# Altium PCB RcMPPT-SCC.PcbDoc (part 1 of 2) (continued)
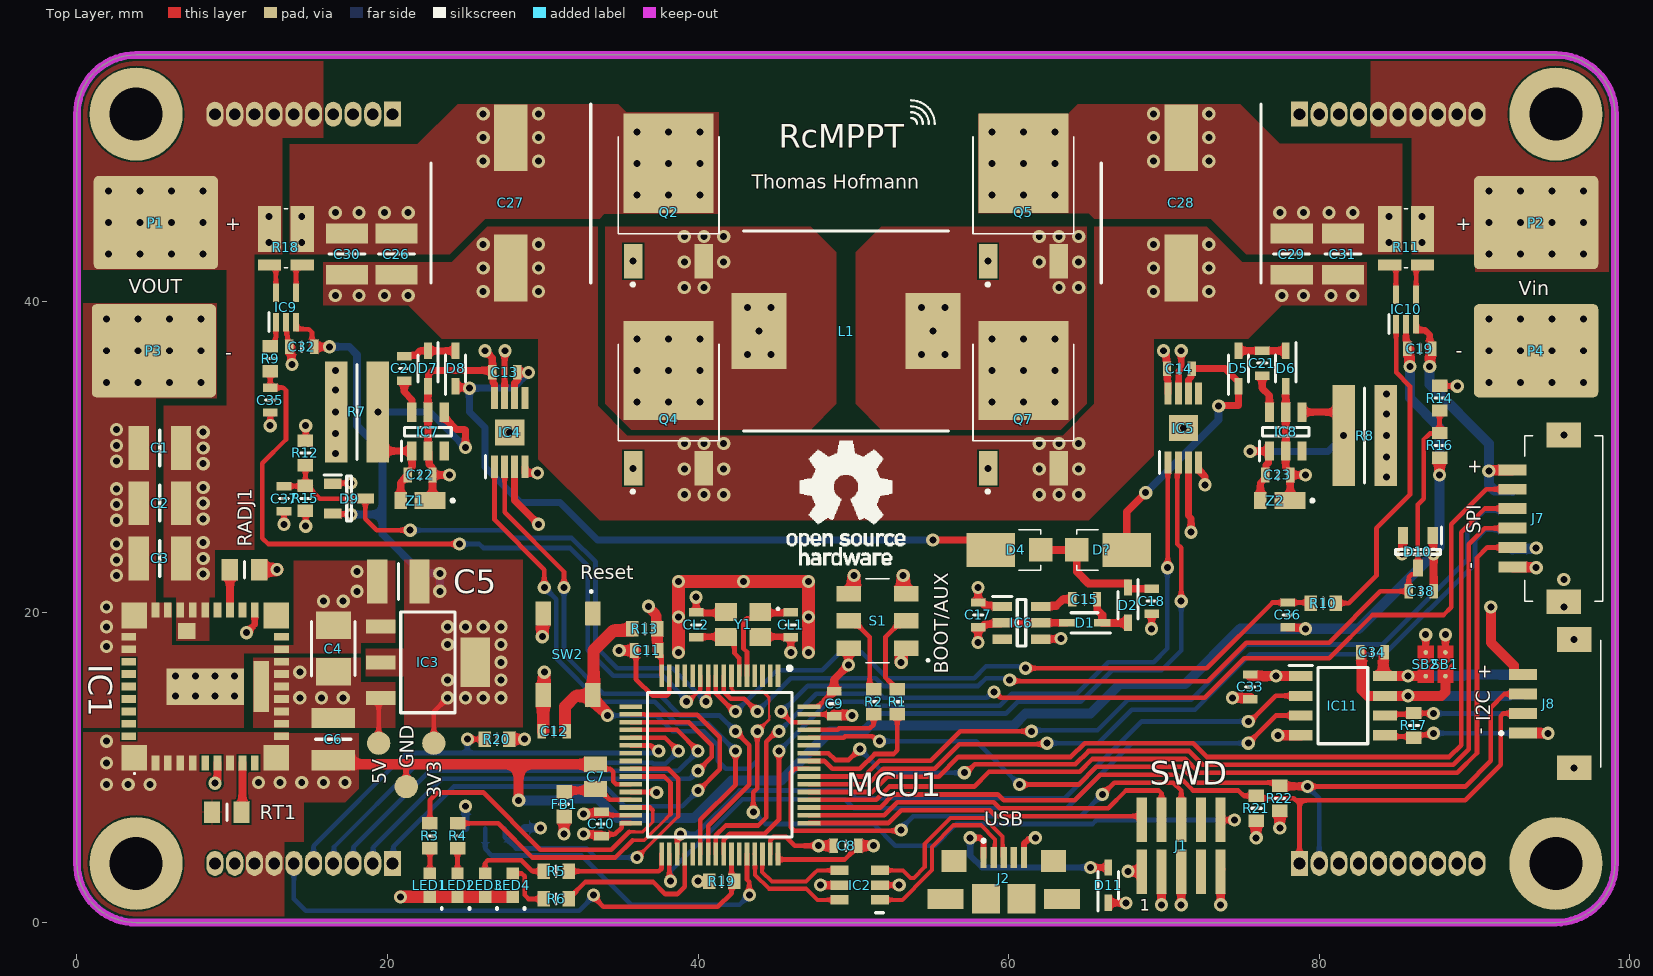
[diagram p0: Top Layer view]
## Components (designator, comment, footprint, x,y, rotation, side; value= is the part's Value field where it differs from the comment) (continued)
IC11 "ISO1044BDR" SOIC127P600X175-8N 81.534,13.97 r0 top
J1 "SWD" HUSSP10W40P127_2X5_635X340X420P 71.12,4.953 r0 top locked
J2 "Micro-USB" 19815841 59.69,1.524 r0 top locked
J3 "M52-040023V1045" HDRV10W60P0X127_1X10_1270X250X250P 78.74,52.07 r0 bottom locked
J4 "M52-040023V1045" HDRV10W60P0X127_1X10_1270X250X250P 20.32,3.81 r180 bottom locked
J5 "M52-040023V1045" HDRV10W60P0X127_1X10_1270X250X250P 78.74,3.81 r0 bottom locked
J6 "M52-040023V1045" HDRV10W60P0X127_1X10_1270X250X250P 20.32,52.07 r180 bottom locked
J7 "DF13A-6P-1.25H_21_" DF13A6P125H21 95.758,26.035 r270 top
J8 "DF13A-4P-1.25H_21_" DF13A4P125H21 95.631,14.097 r270 top locked
J9 "DF13A-4P-1.25H_21_" DF13A4P125H21 95.631,14.097 r90 bottom
J10 "DF13A-4P-1.25H_21_" DF13A4P125H21 94.95,25.918 r90 bottom
J12 "DF13A-4P-1.25H_21_" DF13A4P125H21 26.924,3.556 r0 bottom
L1 "IHLP5050FDER2R2M01" INDPM132129X650N 49.53,38.1 r0 top locked
LED1 "Green" LGQ396PS35 22.733,2.413 r90 top
LED2 "Green" LGQ396PS35 24.511,2.413 r90 top
LED3 "Green" LGQ396PS35 26.289,2.413 r90 top
LED4 "Green" LGQ396PS35 28.067,2.413 r90 top
MCU1 "STM32G474RBT6" QFP50P1200X1200X160-64N 41.402,10.16 r270 top locked
P1 "PowerPad" POWER_PAD 5.08,45.085 r0 top locked
P2 "PowerPad" POWER_PAD 93.98,45.085 r0 top locked
P3 "PowerPad" POWER_PAD 4.953,36.83 r0 top locked
P4 "PowerPad" POWER_PAD 93.98,36.83 r0 top locked
Q2 "IPD90N10S4L06ATMA1" IPD90N10S4L06ATMA1 38.1,52.095 r0 top locked
Q4 "IPD90N10S4L06ATMA1" IPD90N10S4L06ATMA1 38.1,38.76 r0 top locked
Q5 "IPD90N10S4L06ATMA1" IPD90N10S4L06ATMA1 60.96,52.095 r0 top locked
Q7 "IPD90N10S4L06ATMA1" IPD90N10S4L06ATMA1 60.96,38.76 r0 top locked
R1 "10k" RESC1608X55N 52.832,14.224 r270 top
R2 "10k" RESC1608X55N 51.308,14.224 r270 top
R3 "1k" RESC1608X55N 22.733,5.588 r270 top
R4 "1k" RESC1608X55N 24.511,5.588 r270 top
R5 "1k" RESC1608X55N 30.861,3.302 r180 top
R6 "1k" RESC1608X55N 30.861,1.524 r180 top
R7 "4k7 2W" RESC3263X80N 18.034,32.893 r0 top
R8 "4k7 2W" RESC3263X80N 82.931,31.369 r180 top
R9 "100R" RESC1608X55N 12.446,36.322 r90 top
R10 "100R" RESC1608X55N 80.264,20.574 r0 top
R11 "WSK1216L5000FEA" WSK12161L000FEA 85.598,44.069 r270 top
R12 "100k" RESC1608X55N 14.716,30.245 r90 top
R13 "10k" RESC1608X55N 36.576,18.923 r180 top
R14 "100k" RESC1608X55N 87.757,33.782 r90 top
R15 "3k3" RESC1608X55N 14.716,27.324 r90 top
R16 "3k3" RESC1608X55N 87.757,30.734 r90 top
R17 "120R" RESC1608X55N 86.106,12.7 r90 top
R18 "WSK1216L5000FEA" WSK12161L000FEA 13.462,44.069 r270 top
R19 "10k" RESC1608X55N 41.529,2.667 r0 top
R20 "10k" RESC1608X55N 27.051,11.811 r180 top
R21 "10k" RESC1608X55N 75.946,7.366 r90 top
R22 "10k" RESC1608X55N 77.47,8.001 r90 top
RADJ1 "5.05k" R0805 10.795,22.733 r0 top
RT1 "49.9k" R0805 9.652,7.112 r180 top
S1 "CAS-D20A1" CASD20A1 51.562,19.431 r90 top
SB1 "Solder Bridge" SOLDER-BRIDGE_R0603-0R 88.138,16.637 r270 top
SB2 "Solder Bridge" SOLDER-BRIDGE_R0603-0R 86.868,16.637 r270 top
SW2 "RST" PTS647SK38SMTR2LFS 31.623,17.272 r270 top
Y1 "ABM8W-16.0000MHZ-8-B1U-T3" ABM8W160000MHZ8B1UT3 42.901,19.202 r180 top
Z1 "YFZVFHTR10B" TDZVTR51 22.098,27.178 r90 top
Z2 "YFZVFHTR10B" TDZVTR51 77.47,27.178 r90 top

## Footprints (in the part's own frame and the unit in brackets; to place one, negate y for a bottom-side part, rotate by r counter-clockwise, add the part's x,y. Pads: shape width x height; smd on the part's side, far side on the other; paste and mask are expansions set on the pad)
19815841 [mm]
  rect 0.4x1.35 smd: 1(-1.3,2.675) 2(-0.65,2.675) 3(0,2.675) 4(0.65,2.675) 5(1.3,2.675)
  rect 1.6x1.4 smd: 6(-3.2,2.45) 7(3.2,2.45)
  rect 2.3x1.3 smd: 8(-3.75,0) 9(3.75,0)
  rect 1.8x1.9 smd: 10(-1.15,0) 11(1.15,0)
  silkscreen extent -1.4,3.65 -1.2,3.85, body extent -4.4,-2.93 4.4,2.68, height 2.8
ABM8W160000MHZ8B1UT3 [mm]
  rect 1.4x1.15 smd: 1(-1.1,-0.8) 2(1.1,-0.8) 3(1.1,0.8) 4(-1.1,0.8)
  silkscreen extent -2.3,-1.05 -2.2,-0.95, body extent -1.69,-1.26 1.69,1.26, height 0.85
BEADC1608X75N [mm]
  rect 0.9x1 smd: 1(-0.8,0) 2(0.8,0)
  silkscreen extent 0,-0.3 0,0.3, body extent -0.8,-0.4 0.8,0.4, height 0.75
CAPAE1030X1050N [mm]
  rect 4.3x2.15 smd: 1(-4.2,0) 2(4.2,0)
  silkscreen extent -6.35,-5.15 5.15,5.15, body extent -5.65,-5.25 5.65,5.25, height 10.5
CAPC1608X90N [mm]
  rect 0.54x0.94 smd: 1(-0.8,0) 2(0.8,0)
  silkscreen extent 0,-0.3 0,0.3, body extent -0.8,-0.4 0.8,0.4, height 0.9
CAPC1608X97N [mm]
  rect 0.54x0.94 smd: 1(-0.8,0) 2(0.8,0)
  silkscreen extent 0,-0.3 0,0.3, body extent -0.8,-0.4 0.8,0.4, height 0.9
CAPC2012X88N [mm]
  rect 1.02x1.47 smd: 1(-0.8,0) 2(0.8,0)
  body extent -1,-0.63 1,0.63, height 0.88
CAPC3225X270N [mm]
  rect 1.26x2.72 smd: 1(-1.33,0) 2(1.33,0)
  silkscreen extent 0,-1.15 0,1.15, body extent -1.6,-1.25 1.6,1.25, height 2.7
CAPC3225X280N [mm]
  rect 1.3x2.82 smd: 1(-1.36,0) 2(1.36,0)
  silkscreen extent 0,-1.15 0,1.15, body extent -1.6,-1.25 1.6,1.25, height 2.8
CAPPM3528X200N [mm]
  rect 1.75x2.25 smd: 1(-1.5,0) 2(1.5,0)
  silkscreen extent -1.78,-1.4 1.75,1.4, body extent -1.75,-1.4 1.75,1.4, height 2
CASD20A1 [mm]
  rect 1x1.6 smd: 1(-1.75,-1.85) 2(0,-1.85) 3(1.75,-1.85) 4(-1.75,1.85) 5(0,1.85) 6(1.75,1.85)
  silkscreen extent -2.7,-3.3 2.7,0.75, body extent -2.7,-2.55 2.7,2.55, height 2.6
DF13A4P125H21 [mm]
  rect 0.7x1.8 smd: 1(1.875,-2.5) 2(0.625,-2.5) 3(-0.625,-2.5) 4(-1.875,-2.5)
  rect 1.6x2.2 smd: MP1(-4.125,0.8) MP2(4.125,0.8)
  silkscreen extent -4.08,-4 4.08,2.5, body extent -4.76,-3.33 4.76,2.5, height 3.7
DF13A6P125H21 [mm]
  rect 0.7x1.8 smd: 1(-3.125,-3.3) 2(-1.875,-3.3) 3(-0.625,-3.3) 4(0.625,-3.3) 5(1.875,-3.3) 6(3.125,-3.3)
  rect 1.6x2.2 smd: MP1(-5.375,0) MP2(5.375,0)
  silkscreen extent -5.33,-2.5 5.33,2.5, body extent -6.01,-4.13 6.01,2.5, height 3.85
HDRV10W60P0X127_1X10_1270X250X250P [mm]
  rect 1.1x1.6 hole 0.75: 1(0,0)
  oval 1.1x1.6 hole 0.75: 2(1.27,0) 3(2.54,0) 4(3.81,0) 5(5.08,0) 6(6.35,0) 7(7.62,0) 8(8.89,0) 9(10.16,0) 10(11.43,0)
  silkscreen extent -0.95,-1.25 12.38,1.25, body extent -0.64,-1.25 12.06,1.25, height 2.5
HUSSP10W40P127_2X5_635X340X420P [mm]
  rect 0.65x2.85 smd: 1(-2.54,-1.675) 2(-2.54,1.675) 3(-1.27,-1.675) 4(-1.27,1.675) 5(0,-1.675) 6(0,1.675) 7(1.27,-1.675) 8(1.27,1.675) 9(2.54,-1.675) 10(2.54,1.675)
  body extent -3.32,-2.75 3.32,2.75, height 5.13
INDPM132129X650N [mm]
  rect 3.55x4.9 smd: 1(-5.6,0) 2(5.6,0)
  silkscreen extent -6.6,-6.45 6.6,6.45, body extent -6.68,-6.38 6.68,6.38, height 6.29
IPD90N10S4L06ATMA1 [mm]
  rect 1.2x2.2 smd: 1(-2.28,-9.5) 4(2.28,-9.5)
  rect 5.8x6.4 smd: 3(0,-3.2)
  silkscreen extent -3.25,-11.1 3.25,-1.5, body extent -3.36,-10.03 3.36,0.38, height 2.39
LGQ396PS35 [mm]
  rect 0.8x0.8 smd: 1(-0.75,0) 2(0.75,0)
  silkscreen extent -1.52,-0.76 -1.47,-0.76, body extent -0.8,-0.4 0.8,0.4, height 0.5
LMZ36002RVQR [mm]
  rect 1.65x1.65 smd: 1(-4.575,-4.575) 11(4.575,-4.575) 21(4.575,4.575) 31(-4.575,4.575)
  rect 0.5x0.95 smd: 2(-3.2,-4.925) 3(-2.4,-4.925) 4(-1.6,-4.925) 5(-0.8,-4.925) 6(0,-4.925) 7(0.8,-4.925) 8(1.6,-4.925) 9(2.4,-4.925) 10(3.2,-4.925) 22(3.2,4.925) 23(2.4,4.925) 24(1.6,4.925) 25(0.8,4.925) 26(0,4.925) 27(-0.8,4.925) 28(-1.6,4.925) 29(-2.4,4.925) 30(-3.2,4.925)
  rect 0.95x0.5 smd: 12(4.925,-3.2) 13(4.925,-2.4) 14(4.925,-1.6) 15(4.925,-0.8) 16(4.925,0) 17(4.925,0.8) 18(4.925,1.6) 19(4.925,2.4) 20(4.925,3.2) 32(-4.925,3.2) 33(-4.925,2.4) 34(-4.925,1.6) 35(-4.925,0.8) 36(-4.925,0) 37(-4.925,-0.8) 38(-4.925,-1.6) 39(-4.925,-2.4) 40(-4.925,-3.2)
  rect 5x2.35 smd: 41(0,0)
  rect 1.12x1.05 smd: 42(-1.187,3.575)
  rect 1x3.3 smd: 43(3.6,0)
  silkscreen extent -4.6,-5.65 -4.5,-5.55, body extent -5,-5 5,5, height 4.2
POWER_PAD [mm]
  round 0.85 hole 0.45: 1(-3.048,-2.032) 1(-3.048,0) 1(-3.048,2.032) 1(-1.016,-2.032) 1(-1.016,0) 1(-1.016,2.032) 1(1.016,-2.032) 1(1.016,0) 1(1.016,2.032) 1(3.048,-2.032) 1(3.048,0) 1(3.048,2.032)
  rrect10% 8x6 smd: 1(0,0)
  rrect10% 8x6 smd far side: 1(0,0)
PTS647SK38SMTR2LFS [mm]
  rect 1.55x1 smd: 1(-2.625,1.6) 2(2.625,1.6) 3(-2.625,-1.6) 4(2.625,-1.6)
  silkscreen extent -4.1,1.45 -4,1.55, body extent -3.3,-2.25 3.3,2.25, height 3.9
QFP50P1200X1200X160-64N [mm]
  rect 1.475x0.298 smd: 1(-5.738,3.75) 2(-5.738,3.25) 3(-5.738,2.75) 4(-5.738,2.25) 5(-5.738,1.75) 6(-5.738,1.25) 7(-5.738,0.75) 8(-5.738,0.25) 9(-5.738,-0.25) 10(-5.738,-0.75) 11(-5.738,-1.25) 12(-5.738,-1.75) 13(-5.738,-2.25) 14(-5.738,-2.75) 15(-5.738,-3.25) 16(-5.738,-3.75) 33(5.738,-3.75) 34(5.738,-3.25) 35(5.738,-2.75) 36(5.738,-2.25) 37(5.738,-1.75) 38(5.738,-1.25) 39(5.738,-0.75) 40(5.738,-0.25) 41(5.738,0.25) 42(5.738,0.75) 43(5.738,1.25) 44(5.738,1.75) 45(5.738,2.25) 46(5.738,2.75) 47(5.738,3.25) 48(5.738,3.75)
  rect 0.298x1.475 smd: 17(-3.75,-5.738) 18(-3.25,-5.738) 19(-2.75,-5.738) 20(-2.25,-5.738) 21(-1.75,-5.738) 22(-1.25,-5.738) 23(-0.75,-5.738) 24(-0.25,-5.738) 25(0.25,-5.738) 26(0.75,-5.738) 27(1.25,-5.738) 28(1.75,-5.738) 29(2.25,-5.738) 30(2.75,-5.738) 31(3.25,-5.738) 32(3.75,-5.738) 49(3.75,5.738) 50(3.25,5.738) 51(2.75,5.738) 52(2.25,5.738) 53(1.75,5.738) 54(1.25,5.738) 55(0.75,5.738) 56(0.25,5.738) 57(-0.25,5.738) 58(-0.75,5.738) 59(-1.25,5.738) 60(-1.75,5.738) 61(-2.25,5.738) 62(-2.75,5.738) 63(-3.25,5.738) 64(-3.75,5.738)
  silkscreen extent -6.35,-4.65 4.65,4.65, body extent -6,-6 6,6, height 1.6
R0805 [mm]
  rect 1.05x1.4 smd: 1(-0.95,0) 2(0.95,0)
  silkscreen extent 0,-0.53 0,0.53, body extent -1,-0.63 1,0.63, height 0.7
RESC1608X55N [mm]
  rect 0.8x1 smd: 1(-0.8,0) 2(0.8,0)
  silkscreen extent 0,-0.33 0,0.33, body extent -0.75,-0.43 0.8,0.43, height 0.45
RESC3263X80N [mm]
  rect 1.45x6.5 smd: 1(-1.35,0) 2(1.35,0)
  silkscreen extent 0,-3.05 0,3.05, body extent -1.6,-3.15 1.6,3.15, height 0.8
SOD2513X110N [mm]
  rect 1.05x0.5 smd: 1(-1.138,0) 2(1.138,0)
  silkscreen extent -1.66,-0.65 0.87,0.65, body extent -1.25,-0.65 1.25,0.65, height 1.1
SOIC127P600X175-8N [mm]
  rect 1.525x0.65 smd: 1(-2.712,1.905) 2(-2.712,0.635) 3(-2.712,-0.635) 4(-2.712,-1.905) 5(2.712,-1.905) 6(2.712,-0.635) 7(2.712,0.635) 8(2.712,1.905)
  silkscreen extent -3.47,-2.45 1.6,2.58, body extent -3,-2.45 3,2.45, height 1.75
SOLDER-BRIDGE_R0603-0R [mm]
  round 0.3 smd: 1(-0.762,0) 2(0.762,0)
  Top Layer region: -1.2,0.5 -1.2,-0.5 -0.4,-0.5 0.1,0 -0.4,0.5 -1.2,0.5
  Top Layer region: -0.15,-0.5 0.35,0 -0.15,0.5 1.2,0.5 1.2,-0.5 -0.15,-0.5
SOP65P490X110-9N [mm]
  rect 1.425x0.45 smd: 1(-2.212,0.975) 2(-2.212,0.325) 3(-2.212,-0.325) 4(-2.212,-0.975) 5(2.212,-0.975) 6(2.212,-0.325) 7(2.212,0.325) 8(2.212,0.975)
  rect 1.68x1.88 smd: 9(0,0)
  silkscreen extent -2.93,1.55 -1.5,1.55, body extent -2.45,-1.5 2.45,1.5, height 1.1
SOT65P210X110-5N [mm]
  rect 1.2x0.4 smd: 1(-0.95,0.65) 2(-0.95,0) 3(-0.95,-0.65) 4(0.95,-0.65) 5(0.95,0.65)
  silkscreen extent -1.55,1.1 -0.35,1.1, body extent -1.05,-1 1.05,1, height 1.1
SOT95P280X145-6N [mm]
  rect 1.15x0.6 smd: 1(-1.3,0.95) 2(-1.3,0) 3(-1.3,-0.95) 4(1.3,-0.95) 5(1.3,0) 6(1.3,0.95)
  silkscreen extent -1.52,1.78 -1.02,1.78, body extent -1.4,-1.46 1.4,1.46, height 1.45
SOT96P240X110-3N [mm]
  rect 1.1x0.65 smd: 1(-1.05,0.96) 2(-1.05,-0.96) 3(1.05,0)
  silkscreen extent -1.6,-1.45 0.15,1.54, body extent -1.2,-1.45 1.2,1.45, height 1.1
SOT105P275X110-6N [mm]
  rect 1.25x0.6 smd: 1(-1.25,1.05) 2(-1.25,0) 3(-1.25,-1.05) 4(1.25,-1.05) 5(1.25,0) 6(1.25,1.05)
  silkscreen extent -1.88,-1.5 0.28,1.7, body extent -1.38,-1.5 1.38,1.5, height 1.1
SOT230P700X180-4N [mm]
  rect 1.9x0.9 smd: 1(-3.05,2.3) 2(-3.05,0) 3(-3.05,-2.3)
  rect 1.9x3.2 smd: 4(3.05,0)
  silkscreen extent -1.75,-3.25 1.75,3.25, body extent -3.5,-3.25 3.5,3.25, height 1.8
TDZVTR51 [mm]
  rect 1.1x2 smd: 1(0,-0.65)
  rect 1.1x0.8 smd: 2(0,1.25)
  silkscreen extent -0.1,-2.2 0.1,-2, body extent -0.7,-1.54 0.7,1.57, height 0.9
V8PAM10SHM3H [mm]
  rect 3.1x2.2 smd: 1(-1.095,0)
  rect 1.5x1.52 smd: 2(2.125,0)
  silkscreen extent 0.72,-1.3 2.12,1.3, body extent -2.42,-1.3 2.73,1.3, height 1.1
WSK12161L000FEA [mm]
  rect 2.95x1.495 smd: 1(-0.6,-1.053) 4(-0.6,1.053)
  rect 0.7x1.495 smd: 2(1.725,-1.053) 3(1.725,1.053)
  silkscreen extent -1.91,-0.1 1.9,0.1, body extent -2.03,-1.75 1.98,1.75, height 1.51

## Part data
C1 C2 C3 C5 C6: library part CL32B106KMVNNWE, "Capacitor", Manufacturer_Name="Samsung Electro-Mechanics", Mouser Part Number=N/A, Arrow Part Number=CL32B106KMVNNWE, Arrow Price/Stock=https://www.arrow.com/en/products/cl32b106kmvnnwe/samsung-electro-mechanics, Datasheet Link=https://www.arrow.com/en/products/cl32b106kmvnnwe/samsung-electro-mechanics, Height=2.8mm, Manufacturer_Part_Number=CL32B106KMVNNWE, Mouser Price/Stock=https://www.mouser.co.uk/ProductDetail/Samsung-Electro-Mechanics/CL32B106KMVNNWE?qs=xZ%2FP%252Ba9zWqaEMBbSgKy8gQ%3D%3D
C4: library part 8TPE100MAZB, "Capacitor Polarised", Manufacturer_Name=Panasonic, Mouser Part Number=667-8TPE100MAZB, Arrow Part Number=8TPE100MAZB, Arrow Price/Stock=https://www.arrow.com/en/products/8tpe100mazb/panasonic, Datasheet Link=http://uk.rs-online.com/web/p/products/7887374, Height=2mm, Manufacturer_Part_Number=8TPE100MAZB, Mouser Price/Stock=https://www.mouser.co.uk/ProductDetail/Panasonic/8TPE100MAZB?qs=OE1iw1LrrPHKTwwfsidxgA%3D%3D
C7: library part C0805C103J3GACTU, "Capacitor", Manufacturer_Name=Kemet, Mouser Part Number=80-C0805C103J3G, Arrow Part Number=C0805C103J3GACTU, Arrow Price/Stock=https://www.arrow.com/en/products/c0805c103j3gactu/kemet-corporation, Datasheet Link=https://componentsearchengine.com/Datasheets/2/C0805C103J3GACTU.pdf, Height=0.88mm, Manufacturer_Part_Number=C0805C103J3GACTU, Mouser Price/Stock=https://www.mouser.co.uk/ProductDetail/KEMET/C0805C103J3GACTU?qs=K%2Fj%2Fqf%252B0fqJFcB%2FiaHub0Q%3D%3D
C8 C9 C10 C11 C12 C19 C32 C33 C34: library part VJ0603Y104JXJAC, "Capacitor", Manufacturer_Name=Vishay, Mouser Part Number=77-VJ0603Y104JXJAC, Datasheet Link=http://www.vishay.com/docs/45226/vj31xrohsautomlcc.pdf, Height=0.97mm, Manufacturer_Part_Number=VJ0603Y104JXJAC, Mouser Price/Stock=https://www.mouser.com/Search/Refine.aspx?Keyword=77-VJ0603Y104JXJAC
C13 C14 C15 C17 C18 C20 C21 C22 C23: "Capacitor", Manufacturer_Name=TDK, Mouser Part Number=810-C1608X5R1E335KAC, Arrow Part Number=C1608X5R1E335K080AC, Arrow Price/Stock=https://www.arrow.com/en/products/c1608x5r1e335k080ac/tdk, Datasheet Link=https://product.tdk.com/info/en/catalog/datasheets/mlcc_commercial_midvoltage_en.pdf, Height=0.9mm, Manufacturer_Part_Number=C1608X5R1E335K080AC, Mouser Price/Stock=https://www.mouser.com/Search/Refine.aspx?Keyword=810-C1608X5R1E335KAC
C26 C29 C30 C31: "Capacitor", Manufacturer_Name="Murata Electronics", Mouser Part Number=81-GRM32EC72A106KE05, Arrow Part Number=GRM32EC72A106KE05L, Arrow Price/Stock=https://www.arrow.com/en/products/grm32ec72a106ke05l/murata-manufacturing, Datasheet Link=http://psearch.en.murata.com/capacitor/product/GRM32ER71E226KE15%23.pdf, Height=2.7mm, Manufacturer_Part_Number=GRM32EC72A106KE05L, Mouser Price/Stock=https://www.mouser.co.uk/ProductDetail/Murata-Electronics/GRM32EC72A106KE05L?qs=5aG0NVq1C4yOgpL0%2FICNsw%3D%3D
C27 C28: "Capacitor Polarised", Manufacturer_Name=Nichicon, Mouser Part Number=647-UUX2A470MNL1GS, Arrow Part Number=UUX2A470MNL1GS, Arrow Price/Stock=https://www.arrow.com/en/products/uux2a470mnl1gs/nichicon, Datasheet Link=https://componentsearchengine.com/Datasheets/1/UUX2A470MNL1GS.pdf, Height=10.5mm, Manufacturer_Part_Number=UUX2A470MNL1GS, Mouser Price/Stock=https://www.mouser.co.uk/ProductDetail/Nichicon/UUX2A470MNL1GS?qs=jZZh9D7uMhmPZMofMKn2Fg%3D%3D
C35 C36 C37 C38: library part 06035A102JAT2A, "Capacitor", Manufacturer_Name=AVX, Mouser Part Number=581-06035A102J, Arrow Part Number=06035A102JAT2A, Arrow Price/Stock=https://www.arrow.com/en/products/06035a102jat2a/avx, Datasheet Link=http://datasheets.avx.com/C0GNP0-Dielectric.pdf, Height=0.9mm, Manufacturer_Part_Number=06035A102JAT2A, Mouser Price/Stock=https://www.mouser.co.uk/ProductDetail/AVX/06035A102JAT2A?qs=I5rfTV0A4wGLF2%252B95sWyMg%3D%3D
CL1 CL2: library part CL10C040CB8NNNC, "Capacitor", Manufacturer_Name="Samsung Electro-Mechanics", Mouser Part Number=N/A, Arrow Part Number=CL10C040CB8NNNC, Arrow Price/Stock=https://www.arrow.com/en/products/cl10c040cb8nnnc/samsung-electro-mechanics, Datasheet Link=https://datasheet.lcsc.com/szlcsc/Samsung-Electro-Mechanics-CL10C040CB8NNNC_C307494.pdf, Height=0.9mm, Manufacturer_Part_Number=CL10C040CB8NNNC, Mouser Price/Stock=https://www.mouser.co.uk/ProductDetail/Samsung-Electro-Mechanics/CL10C040CB8NNNC?qs=X6jEic%2FHinCXvSxHicvHqA%3D%3D
D1 D2 D5 D6 D7 D8 D11: "Diode", Manufacturer_Name=Infineon, Mouser Part Number=726-BAS3010A-03WE6, Arrow Part Number=BAS3010A03WE6327HTSA1, Arrow Price/Stock=https://www.arrow.com/en/products/bas3010a03we6327htsa1/infineon-technologies-ag, Datasheet Link=https://www.infineon.com/dgdl/Infineon-BAS3010ASERIES-DS-v01_01-en.pdf?fileId=db3a30431ddc9372011dfbc50f231c06, Height=1.1mm, Manufacturer_Part_Number=BAS3010A03WE6327HTSA1, Mouser Price/Stock=https://www.mouser.co.uk/ProductDetail/Infineon-Technologies/BAS3010A03WE6327HTSA1?qs=K00xGehIljtEbk1%252B2pLZ%252BQ%3D%3D
D4 D?: "Schottky Diode", Manufacturer_Name=Vishay, Manufacturer_Part_Number=V8PAM10S-M3/H, Mouser Part Number=78-V8PAM10S-M3/H, Datasheet Link=https://www.vishay.com/docs/87013/v8pam10s.pdf, Height=1mm, Mouser Price/Stock=https://www.mouser.co.uk/ProductDetail/Vishay-General-Semiconductor/V8PAM10S-M3-H/?qs=7MVldsJ5Uazp%2FkF6tV7Ktw%3D%3D
D9 D10: "Schottky Diode", Manufacturer_Name="Diodes Inc.", Mouser Part Number=621-BAT54SQ-7-F, Arrow Part Number=BAT54SQ-7-F, Arrow Price/Stock=https://www.arrow.com/en/products/bat54sq-7-f/diodes-incorporated, Datasheet Link=https://www.arrow.com/en/products/bat54sq-7-f/diodes-incorporated, Height=1.1mm, Manufacturer_Part_Number=BAT54SQ-7-F, Mouser Price/Stock=https://www.mouser.co.uk/ProductDetail/Diodes-Incorporated/BAT54SQ-7-F/?qs=vdQOMtKMWaAKaYcjx11stw%3D%3D
FB1: library part MPZ1608S221ATA00, "Ferrite Bead", Manufacturer_Name=TDK, Mouser Part Number=810-MPZ1608S221ATA00, Arrow Part Number=MPZ1608S221ATA00, Arrow Price/Stock=https://www.arrow.com/en/products/mpz1608s221ata00/tdk, Datasheet Link=https://product.tdk.com/info/en/catalog/datasheets/beads_commercial_power_mpz1608_en.pdf, Height=0.75mm, Manufacturer_Part_Number=MPZ1608S221ATA00, Mouser Price/Stock=https://www.mouser.co.uk/ProductDetail/TDK/MPZ1608S221ATA00/?qs=pLY5GE0xrmLZeKkazChaNg%3D%3D
IC1: "Integrated Circuit", Manufacturer_Name="Texas Instruments", Mouser Part Number=595-LMZ36002RVQT, Arrow Part Number=LMZ36002RVQT, Arrow Price/Stock=https://www.arrow.com/en/products/lmz36002rvqt/texas-instruments, Datasheet Link=http://www.ti.com/lit/gpn/lmz36002, Height=2.13mm, Manufacturer_Part_Number=LMZ36002RVQT, Mouser Price/Stock=https://www.mouser.co.uk/ProductDetail/Texas-Instruments/LMZ36002RVQT?qs=kFLL9AfgRSBjXTxBMSjGOw%3D%3D
IC2: "Integrated Circuit", Manufacturer_Name=STMicroelectronics, Mouser Part Number=511-USBLC6-2SC6, Arrow Part Number=USBLC6-2SC6, Arrow Price/Stock=https://www.arrow.com/en/products/usblc6-2sc6/stmicroelectronics, Datasheet Link=http://www.st.com/st-web-ui/static/active/en/resource/technical/document/datasheet/CD00050750.pdf, Height=1.45mm, Manufacturer_Part_Number=USBLC6-2SC6, Mouser Price/Stock=https://www.mouser.co.uk/ProductDetail/STMicroelectronics/USBLC6-2SC6?qs=po45yt2pPpu%2FhNIlwQdTlg%3D%3D
IC3: "Integrated Circuit", Manufacturer_Name="Diodes Inc.", Mouser Part Number=621-AP2114H-3.3TRG1, Arrow Part Number=AP2114H-3.3TRG1, Arrow Price/Stock=https://www.arrow.com/en/products/ap2114h-3.3trg1/diodes-incorporated, Datasheet Link=http://uk.rs-online.com/web/p/products/8283528, Height=1.8mm, Manufacturer_Part_Number=AP2114H-3.3TRG1, Mouser Price/Stock=https://www.mouser.co.uk/ProductDetail/Diodes-Incorporated/AP2114H-33TRG1?qs=x6A8l6qLYDDSG%2FfwzcsOhw%3D%3D
IC4 IC5: "Integrated Circuit", Manufacturer_Name="Linear Technology", Mouser Part Number=584-C4444EMS8E-5PBF, Arrow Part Number=LTC4444EMS8E-5#PBF, Arrow Price/Stock=https://www.arrow.com/en/products/ltc4444ems8e-5pbf/linear-technology, Datasheet Link=http://www.linear.com/docs/26366, Height=1.1mm, Manufacturer_Part_Number=LTC4444EMS8E-5#PBF, Mouser Price/Stock=https://www.mouser.com/Search/Refine.aspx?Keyword=584-C4444EMS8E-5PBF
IC6 IC7 IC8: "Integrated Circuit", Manufacturer_Name="ON Semiconductor", Mouser Part Number=863-NCP1729SN35T1G, Arrow Part Number=NCP1729SN35T1G, Arrow Price/Stock=https://www.arrow.com/en/products/ncp1729sn35t1g/on-semiconductor, Datasheet Link=http://www.onsemi.com/pub/Collateral/NCP1729-D.PDF, Height=1.1mm, Manufacturer_Part_Number=NCP1729SN35T1G, Mouser Price/Stock=https://www.mouser.co.uk/ProductDetail/ON-Semiconductor/NCP1729SN35T1G?qs=%2FugrpAKHX8pjfXPiRUErOw%3D%3D
IC9 IC10: "Integrated Circuit", Manufacturer_Name="Texas Instruments", Mouser Part Number=595-INA290A2IDCKT, Datasheet Link=https://www.ti.com/lit/ds/symlink/ina290.pdf?ts=1605766072094&ref_url=https%253A%252F%252Fwww.ti.com%252Fstore%252Fti%252Fen%252Fp%252Fproduct%252F%253Fp%253DINA290A2IDCKT, Height=1.1mm, Manufacturer_Part_Number=INA290A2IDCKT, Mouser Price/Stock=https://www.mouser.co.uk/ProductDetail/Texas-Instruments/INA290A2IDCKT/?qs=sPbYRqrBIVkkx%2FoqcXF%2FVw%3D%3D
IC11: "Integrated Circuit", Manufacturer_Name="Texas Instruments", Mouser Part Number=595-ISO1044BDR, Datasheet Link=http://www.ti.com/lit/gpn/iso1044?HQS=ti-null-null-sf-df-pf-sep-wwe&DCM=yes, Height=1.75mm, Manufacturer_Part_Number=ISO1044BDR, Mouser Price/Stock=https://www.mouser.co.uk/ProductDetail/Texas-Instruments/ISO1044BDR/?qs=DuoOggApuK9UGD9QQWYeTA%3D%3D
J1: library part M50-3600542R, "Connector", Manufacturer_Name=Harwin, Mouser Part Number=855-M50-3600542R, Datasheet Link=https://cdn.harwin.com/pdfs/M50-360R.pdf, Manufacturer_Part_Number=M50-3600542R, Mouser Price/Stock=https://www.mouser.co.uk/ProductDetail/Harwin/M50-3600542R?qs=DVxm2sPGGrrPu%2FxuhpV3yw%3D%3D
J2: library part 1981584-1, "Connector", Manufacturer_Name="TE Connectivity", Mouser Part Number=571-1981584-1, Arrow Part Number=1981584-1, Arrow Price/Stock=https://www.arrow.com/en/products/1981584-1/te-connectivity, Datasheet Link=http://www.te.com/commerce/DocumentDelivery/DDEController?Action=showdoc&DocId=Customer+Drawing%7F1981584%7FD2%7Fpdf%7FEnglish%7FENG_CD_1981584_D2.pdf%7F1981584-1, Height=3mm, Manufacturer_Part_Number=1981584-1, Mouser Price/Stock=https://www.mouser.co.uk/ProductDetail/TE-Connectivity/1981584-1?qs=ozkTL%2FUej0TLYxjQLPnd2Q%3D%3D
J3 J4 J5 J6: "Connector", Manufacturer_Name=Harwin, Mouser Part Number=855-M52-040023V1045, Datasheet Link=https://componentsearchengine.com/Datasheets/2/M52-040023V1045.pdf, Height=2.5mm, Manufacturer_Part_Number=M52-040023V1045, Mouser Price/Stock=https://www.mouser.co.uk/ProductDetail/Harwin/M52-040023V1045?qs=wuXwK9wHm9uI6z1%2FRhsKmg%3D%3D
J7: "Connector", Arrow Part Number=DF13A-6P-1.25H(21), Manufacturer_Name=Hirose, Mouser Part Number=798-DF13A6P125H21, Arrow Price/Stock=https://www.arrow.com/en/products/df13a-6p-1.25h-21/hirose-electric, Datasheet Link=https://www.hirose.com/product/download/?distributor=digikey&type=2d&lang=en&num=DF13A-6P-1.25H(21), Height=3.75mm, Manufacturer_Part_Number=DF13A-6P-1.25H(21), Mouser Price/Stock=https://www.mouser.co.uk/ProductDetail/Hirose-Connector/DF13A-6P-125H21?qs=XQjbzJWzFPXnreVi%252BPl0Lg%3D%3D
J8 J9 J10 J12: "Connector", Manufacturer_Name=Hirose, Manufacturer_Part_Number=DF13A-4P-1.25H(21), Mouser Part Number=798-DF13A4P125H21, Datasheet Link=https://componentsearchengine.com/Datasheets/1/DF13A-4P-1.25H(21).pdf, Height=3.6mm, Mouser Price/Stock=https://www.mouser.co.uk/ProductDetail/Hirose-Connector/DF13A-4P-125H21?qs=XQjbzJWzFPXWzMShI70F0w%3D%3D
L1: "Inductor", Manufacturer_Name=Vishay, Mouser Part Number=70-IHLP5050FDER2R2M1, Arrow Part Number=IHLP5050FDER2R2M01, Arrow Price/Stock=https://www.arrow.com/en/products/ihlp5050fder2r2m01/vishay, Datasheet Link=http://uk.rs-online.com/web/p/products/7487448P, Height=6.5mm, Manufacturer_Part_Number=IHLP5050FDER2R2M01, Mouser Price/Stock=https://www.mouser.co.uk/ProductDetail/Vishay-Dale/IHLP5050FDER2R2M01?qs=bGpylJ3EYaCbgSSjAcbJVQ%3D%3D
LED1 LED2 LED3 LED4: library part LG_Q396-PS-35, "LED", Arrow Part Number="LG Q396-PS-35", Manufacturer_Name=OSRAM, Mouser Part Number=720-LGQ396A3964, Arrow Price/Stock=https://www.arrow.com/en/products/lgq396-ps-35/osram-opto-semiconductors, Datasheet Link=https://mouser.componentsearchengine.com/Datasheets/2/LG%20Q396-PS-35.pdf, Height=0.4mm, Manufacturer_Part_Number="LG Q396-PS-35", Mouser Price/Stock=https://www.mouser.co.uk/ProductDetail/OSRAM-Opto-Semiconductors/LG-Q396-PS-35?qs=xC%252BE9h5iuX5%252BCocujXxOpw%3D%3D
MCU1: "Integrated Circuit", Manufacturer_Name=STMicroelectronics, Mouser Part Number=511-STM32G474RBT6, Datasheet Link=https://www.mouser.com/datasheet/2/389/stm32g474cb-1600828.pdf, Height=1.6mm, Manufacturer_Part_Number=STM32G474RBT6, Mouser Price/Stock=https://www.mouser.co.uk/ProductDetail/STMicroelectronics/STM32G474RBT6?qs=uwxL4vQweFP0uAZUZXLBhQ%3D%3D
Q2 Q4 Q5 Q7: "MOSFET (N-Channel)", Manufacturer_Name=Infineon, Mouser Part Number=726-IPD90N10S4L06ATM, Arrow Part Number=IPD90N10S4L06ATMA1, Arrow Price/Stock=https://www.arrow.com/en/products/ipd90n10s4l06atma1/infineon-technologies-ag, Datasheet Link=https://www.infineon.com/dgdl/Infineon-IPD90N10S4L_06-DS-v01_00-en.pdf?fileId=db3a3043372d5cc80137500063630512, Height=2mm, Manufacturer_Part_Number=IPD90N10S4L06ATMA1, Mouser Price/Stock=https://www.mouser.co.uk/ProductDetail/Infineon-Technologies/IPD90N10S4L06ATMA1?qs=LxJ0xX%2FWJR62lwU%2FrihEDA%3D%3D
R1 R2 R13 R19 R20 R21 R22: library part MCT06030C1002FP500, "Resistor", Manufacturer_Name=Vishay, Mouser Part Number=594-MCT06030C1002FP5, Datasheet Link=http://www.vishay.com/docs/28705/mcx0x0xpro.pdf, Height=0.55mm, Manufacturer_Part_Number=MCT06030C1002FP500, Mouser Price/Stock=https://www.mouser.co.uk/ProductDetail/Vishay-Beyschlag/MCT06030C1002FP500?qs=Wvg1umJc15zoHgIjwqoGHw%3D%3D
R3 R4 R5 R6: library part MCT06030C1001FP500, "Resistor", Manufacturer_Name=Vishay, Mouser Part Number=594-MCT06030C1001FP5, Datasheet Link=http://www.vishay.com/docs/28705/mcx0x0xpro.pdf, Height=0.55mm, Manufacturer_Part_Number=MCT06030C1001FP500, Mouser Price/Stock=https://www.mouser.co.uk/ProductDetail/Vishay-Beyschlag/MCT06030C1001FP500?qs=7ZE6F4QMOBbsjeUdqW8cwA%3D%3D
R7 R8: library part RCL12254K70FKEG, "Resistor", Manufacturer_Name=Vishay, Mouser Part Number=71-RCL12254K70FKEG, Datasheet Link=https://componentsearchengine.com/Datasheets/1/RCL12254K70FKEG.pdf, Height=0.8mm, Manufacturer_Part_Number=RCL12254K70FKEG, Mouser Price/Stock=https://www.mouser.com/Search/Refine.aspx?Keyword=71-RCL12254K70FKEG
R9 R10: library part ERJ-3EKF1000V, "Resistor", Manufacturer_Name=Panasonic, Mouser Part Number=667-ERJ-3EKF1000V, Arrow Part Number=ERJ-3EKF1000V, Arrow Price/Stock=https://www.arrow.com/en/products/erj-3ekf1000v/panasonic, Datasheet Link=http://industrial.panasonic.com/cdbs/www-data/pdf/RDA0000/AOA0000C86.pdf, Height=0.55mm, Manufacturer_Part_Number=ERJ-3EKF1000V, Mouser Price/Stock=https://www.mouser.co.uk/ProductDetail/Panasonic/ERJ-3EKF1000V/?qs=H7k1u0Mp9JS7i8KGO5m47A%3D%3D
R11 R18: "Resistor", Manufacturer_Name=Vishay, Datasheet Link=http://www.vishay.com/docs/30189/wsk1216.pdf, Height=1.9mm, Manufacturer_Part_Number=WSK1216L5000FEA
R12 R14: library part ERJ-PA3J104V, "Resistor", Manufacturer_Name=Panasonic, Mouser Part Number=667-ERJ-PA3J104V, Arrow Part Number=ERJ-PA3J104V, Arrow Price/Stock=https://www.arrow.com/en/products/erj-pa3j104v/panasonic, Datasheet Link=https://industrial.panasonic.com/cdbs/www-data/pdf/RDA0000/AOA0000C243.pdf, Height=0.55mm, Manufacturer_Part_Number=ERJ-PA3J104V, Mouser Price/Stock=https://www.mouser.com/Search/Refine.aspx?Keyword=667-ERJ-PA3J104V
R15 R16: library part ERJ-PA3J332V, "Resistor", Manufacturer_Name=Panasonic, Mouser Part Number=667-ERJ-PA3J332V, Datasheet Link=https://industrial.panasonic.com/cdbs/www-data/pdf/RDO0000/AOA0000C331.pdf, Height=0.55mm, Manufacturer_Part_Number=ERJ-PA3J332V, Mouser Price/Stock=https://www.mouser.co.uk/ProductDetail/Panasonic/ERJ-PA3J332V?qs=BzJM0faLVqUb4RD3AQ1dMg%3D%3D
R17: library part ERJPA3J121V, "Resistor", Manufacturer_Name=Panasonic, Datasheet Link=https://industrial.panasonic.com/cdbs/www-data/pdf/RDA0000/AOA0000C243.pdf, Height=0.55mm, Manufacturer_Part_Number=ERJPA3J121V
RADJ1: library part RT0805BRD075K05L, "Resistor", Manufacturer_Name=Yageo, Mouser Part Number=603-RT0805BRD075K05L, Datasheet Link=https://www.mouser.at/datasheet/2/447/PYu-RT_1-to-0.01_RoHS_L_11-1669912.pdf, Height=0.7mm, Manufacturer_Part_Number=RT0805BRD075K05L, Mouser Price/Stock=https://www.mouser.at/ProductDetail/Yageo/RT0805BRD075K05L?qs=bQfrgN9vNvwObDVrZ%2FDM5w%3D%3D
RT1: library part ERJ-6ENF4992V, "Resistor", Manufacturer_Name=Panasonic, Mouser Part Number=667-ERJ-6ENF4992V, Datasheet Link=https://industrial.panasonic.com/cdbs/www-data/pdf/RDA0000/AOA0000C84.pdf, Height=0.7mm, Manufacturer_Part_Number=ERJ-6ENF4992V, Mouser Price/Stock=https://www.mouser.com/Search/Refine.aspx?Keyword=667-ERJ-6ENF4992V
S1: "Switch", Manufacturer_Name="Copal Electronics", Datasheet Link=https://www.nidec-copal-electronics.com/e/catalog/switch/cas.pdf, Height=2.5mm, Manufacturer_Part_Number=CAS-D20A1
SB1 SB2: Manufacturer=YAGEO, Manufacturer_Part_Number=RC0603JR-070RL, Package=SB0603, ComponentLink1Description=Datasheet, ComponentLink1URL=http://tunmcdsvn.tun.st.com/Component_Datasheet_Library/Trunk/Resistors/Yageo_Resistor_RC0603-series, ECCN_EU=n/a, ECCN_US=n/a, Internal_Part_Number=MCD-00071, Part_Type=Mechanical, Provided_By=SUBCO, Status=Released
SW2: library part PTS_647_SK38_SMTR2_LFS, "Switch", Arrow Part Number="PTS 647 SK38 SMTR2 LFS", Manufacturer_Name="C & K COMPONENTS", Arrow Price/Stock=https://www.arrow.com/en/products/pts-647-sk38-smtr2-lfs/ck, Datasheet Link=https://dznh3ojzb2azq.cloudfront.net/products/Tactile/PTS647/documents/datasheet.pdf, Height=3.8mm, Manufacturer_Part_Number="PTS 647 SK38 SMTR2 LFS"
Y1: "Crystal or Oscillator", Manufacturer_Name=ABRACON, Mouser Part Number=815-8W16-8B1UT, Arrow Part Number=ABM8W-16.0000MHZ-8-B1U-T3, Arrow Price/Stock=https://www.arrow.com/en/products/abm8w-16.0000mhz-8-b1u-t3/abracon, Datasheet Link=https://abracon.com/Resonators/ABM8W.pdf, Height=0.75mm, Manufacturer_Part_Number=ABM8W-16.0000MHZ-8-B1U-T3, Mouser Price/Stock=https://www.mouser.co.uk/ProductDetail/ABRACON/ABM8W-160000MHZ-8-B1U-T3?qs=5aG0NVq1C4zuwTHNFUIcqw%3D%3D
Z1 Z2: "Zener Diode", Manufacturer_Name="ROHM Semiconductor", Mouser Part Number=755-YFZVFHTR10B, Datasheet Link=http://rohmfs.rohm.com/en/products/databook/datasheet/discrete/diode/zener/yfzvfhtr10b-e.pdf, Height=0.8mm, Manufacturer_Part_Number=YFZVFHTR10B, Mouser Price/Stock=https://www.mouser.com/Search/Refine.aspx?Keyword=755-YFZVFHTR10B

## Free pads (board coordinates)
  round 6 hole 3.4: 2(3.81,3.81) 2(3.81,52.07) 2(95.25,3.81) 2(95.25,52.07)
  round 1.5 smd: 3(19.431,11.557) 4(21.209,8.763) 5(22.987,11.557)

## Via types
v1: diameter 0.85, hole 0.45, Top Layer to Bottom Layer, tented both sides, 340 vias
v2: diameter 0.85, hole 0.45, Top Layer to Bottom Layer, 8 vias

## Nets (pads, with @x,y where several pads share a name; then routed paths per layer and width w, separated by ;. In a path a pad name is that pad's centre, name@x,y a point inside that pad or via, vN(x,y) a via of type N, cw(c..) or ccw(c..) an arc to the next point about the centre after c; other vN are vias at no path point)
3V3: C5.1 C8.1 C9.1 C10.1 C11.1 C19.1 C32.1 C33.1 D9.2 D10.2 FB1.1 IC2.5 IC3.2 IC3.4 IC9.3 IC10.3 IC11.1 J1.1 J5.3 J5.4 J5.5 J7.1 J8.4 J10.1 J12.4 MCU1.16 MCU1.28 MCU1.32 MCU1.48 MCU1.64 pad.5 R13.1 R19.1 R20.1 R21.1 R22.1 S1.1 S1.4 | length 88.1
  Top Layer w0.3: IC9.3@14.112,38.674 14.112,38.274 14.162,38.224 14.937,38.224 15.137,38.024 15.137,37.125 C32.1@15.178,37.084 ; D9.2@16.476,26.345 16.504,26.317 17.625,26.317 v1(17.653,26.289) ; pad.5@22.987,11.557 22.987,13.589 v1(23.876,14.478) ; C10.1@33.749,5.683 34.639,5.683 35.076,6.12 35.076,6.41 MCU1.32@35.664,6.41 ; MCU1.28@35.664,8.41 37.31,8.41 v1(37.338,8.382) ; C11.1@37.403,17.526 37.403,17.426 37.652,17.177 MCU1.16@37.652,15.898 ; MCU1.48@45.152,4.422 45.152,4.064 49.441,4.064 50.23,4.853 C8.1@50.23,4.953 ; MCU1.64@47.14,13.91 47.727,13.91 48.374,14.557 48.528,14.557 C9.1@48.768,14.797
  Top Layer w0.4: IC10.3@86.248,38.547 86.248,38.147 86.821,38.147 87.122,37.846 87.122,37.022 C19.1@87.187,36.957
  Top Layer w0.5: C32.1@15.178,37.084 v1(16.256,37.084) ; v1(32.639,5.715) 32.671,5.683 C10.1@33.749,5.683 ; C9.1@48.768,14.797 48.768,15.672 v1(49.682,16.586) 49.682,17.651 S1.4@49.712,17.681 ; v1(85.344,23.749) 85.372,23.777 85.372,24.898 D10.2@85.4,24.926
  Top Layer w0.508: v1(47.879,2.413) IC2.5@49.119,2.413
  Top Layer w0.65: R20.1@27.851,11.811 v1(28.829,11.811) ; v1(31.369,5.715) FB1.1@31.369,6.73 ; v1(36.805,20.371) 36.805,20.317 37.301,19.82 37.301,18.998 37.39,18.909 37.39,17.54 C11.1@37.403,17.526 ; v1(40.005,2.667) R19.1@40.729,2.667 ; C8.1@50.23,4.953 v1(51.308,4.953) ; v1(67.691,3.302) 68.58,3.302 J1.1@68.58,3.278 ; C33.1@75.565,15.875 v1(77.216,15.875) IC11.1@78.822,15.875 ; v1(75.946,5.461) R21.1@75.946,6.566 ; v1(77.47,6.096) R22.1@77.47,7.201 ; v1(87.122,35.814) 87.154,35.846 87.154,36.924 C19.1@87.187,36.957 ; v1@90.952,29.063 v1(90.932,29.083) 90.986,29.083 91.038,29.135 92.433,29.135 J7.1@92.458,29.16 ; v1(91.059,20.32) 91.059,18.044 92.556,16.547 92.556,15.997 92.581,15.972 J8.4@93.131,15.972
  Top Layer w0.85: v1(53.086,16.764) 53.086,17.606 53.161,17.681 S1.1@53.412,17.681
  Bottom Layer w0.3: J12.4@25.034,6.071 J12.4@25.049,6.056
  Bottom Layer w0.5: v1(16.256,37.084) 17.526,37.084 18.034,36.576 18.034,32.004 19.685,30.353 19.685,26.289 ; v1(17.653,26.289) 19.685,26.289 ; v1(23.368,21.336) v1(23.368,22.479) 23.336,22.511 22.193,22.511 19.685,25.019 19.685,26.289 ; v1(25.019,7.493) 25.034,7.478 J12.4@25.034,6.071
  Bottom Layer w0.65: v1(87.122,35.814) 87.122,34.671 90.932,30.861 v1(90.932,29.083) 90.932,28.199 91.313,27.818 92.425,27.818 J10.1@92.45,27.793
  other v1: 25.019,14.478 26.162,14.478 27.305,14.478 23.876,15.621 27.305,15.621 27.305,16.764 23.876,17.907 27.305,17.907 23.876,19.05 25.019,19.05 26.162,19.05 27.305,19.05
+5: C4.1 C6.1 C17.1 D1.2 D11.1 IC1.7 IC1.13 IC1.14 IC1.15 IC1.16 IC1.17 IC1.18 IC1.22 IC1.43 IC3.3 IC4.3 IC5.3 IC6.2 IC6.5 J5.6 J5.7 J5.8 J5.9 J5.10 pad.3 SB2.1 | length 24
  Top Layer w0.3: pad.3@19.431,11.557 19.431,14.339 IC3.3@19.556,14.464
  Top Layer w0.4: v1(10.922,18.669) 11.455,19.202 IC1.22@11.455,20.128
  Top Layer w0.45: IC4.3@28.194,29.358 28.194,27.178 v1(29.718,25.654) ; v1(58.039,18.034) C17.1@58.039,19.012 58.239,19.012 58.456,19.229 59.508,19.229 IC6.2@59.583,19.304 IC6.5@62.083,19.304 D1.2@63.759,19.304 ; D11.1@66.421,1.275 66.423,1.273 67.561,1.273 v1(67.564,1.27) ; IC5.3@71.584,29.64 71.584,26.206 71.755,26.035 v1(71.755,25.146) ; SB2.1@86.868,17.399 v1(86.868,18.542)
  Top Layer w0.5: v1(8.89,8.98) 8.89,9.075 9.055,9.24 IC1.7@9.055,10.278
  other v1: 14.351,14.478 15.748,14.478 17.145,14.478 14.351,16.129
AGND: C6.2 C7.2 C19.2 C32.2 C35.1 C36.1 C37.1 C38.1 D9.1 D10.1 IC1.1 IC1.2 IC1.3 IC1.4 IC1.5 IC1.8 IC1.11 IC1.12 IC9.2 IC10.2 J4.7 J4.8 MCU1.27 pad.4 R15.1 R16.1 RADJ1.2 RT1.2 | length 120.1
  Top Layer w0.3: v1(12.446,32.004) C35.1@12.446,32.855 ; C37.1@13.319,26.524 13.335,26.508 v1(13.335,25.654) ; IC9.2@13.462,38.674 13.512,38.624 13.512,37.831 13.561,37.783 13.561,37.301 C32.2@13.778,37.084 ; R15.1@14.716,26.524 14.732,26.508 v1(14.732,25.527) ; D9.1@16.476,28.265 16.504,28.293 17.625,28.293 v1(17.653,28.321) ; pad.4@21.209,8.763 21.209,10.198 ; C7.2@33.401,10.198 33.715,9.884 34.368,9.884 34.544,9.708 34.544,9.086 34.72,8.91 MCU1.27@35.664,8.91
  Top Layer w0.4: IC10.2@85.598,38.547 85.598,37.146 C19.2@85.787,36.957 ; v1@87.729,28.801 v1(87.757,28.829)
  Top Layer w0.5: C32.2@13.778,37.084 13.811,37.051 13.811,35.973 v1(13.843,35.941) ; C36.1@77.978,19.012 77.998,18.992 78.957,18.992 79.026,18.923 v1(79.121,18.923) ; D10.1@87.32,24.926 87.348,24.898 87.348,23.777 v1(87.376,23.749) C38.1@87.376,21.336
  Top Layer w0.65: C6.2@17.523,10.198 21.209,10.198 28.448,10.198 ; v1(28.448,7.874) 28.448,10.198 ; C7.2@33.401,10.198 28.448,10.198 ; C19.2@85.787,36.957 85.819,36.925 85.819,35.847 v1(85.852,35.814) ; v1(87.757,28.829) R16.1@87.757,29.934
  Top Layer w0.85: RADJ1.2@11.745,22.733 v1(12.893,22.733) ; C6.2@16.51,10.451 17.27,10.451 C6.2@17.523,10.198
  Bottom Layer w0.65: v1(28.448,7.874) 30.952,7.874 31.067,7.989 33.54,7.989 34.798,6.731 39.751,6.731 42.164,9.144 45.339,9.144 48.514,12.319 50.673,12.319 51.054,12.7 60.325,12.7 61.087,13.462 65.278,13.462 67.183,15.367 71.374,15.367 74.93,18.923 v1(79.121,18.923) 82.55,18.923 v1(87.376,23.749) ; v1(85.852,35.814) 85.852,33.782 87.757,31.877 v1@87.757,28.956 ; v1@87.349,23.776 87.757,24.184 v1(87.757,28.829)
  other v1: 1.905,8.89 3.302,8.89 4.699,8.89 11.684,9.017 13.081,9.017 14.478,9.017 15.875,9.017 17.272,9.017 1.905,10.287 1.905,11.684
BOOST-BG: IC5.4 Q7.1 | length 18.4
  Top Layer w0.45: IC5.4@72.234,29.64 72.234,29.153 72.644,28.743 v1(72.644,28.194)
  Mid Layer 2 w0.45: v1(58.68,29.26) 58.674,29.254 58.674,27.559 59.69,26.543 70.993,26.543 v1(72.644,28.194)
BOOST-BIN: IC5.2 MCU1.41 | length 50.9
  Top Layer w0.3: MCU1.41@41.652,4.422 41.652,5.33 42.037,5.715 44.302,5.715 45.212,6.625 v1(45.212,11.049) ; IC5.2@70.934,29.64 70.866,29.572 70.866,24.384 71.12,24.13 v1(71.12,20.701)
  Bottom Layer w0.3: v1(45.212,11.049) 48.387,14.224 50.673,14.224 51.435,13.462 59.817,13.462 60.579,14.224 64.643,14.224 66.675,16.256 69.85,16.256 71.12,17.526 v1(71.12,20.701)
BOOST-BOOT: C14.1 D5.1 D?.1 IC5.6 | length 19.6
  Top Layer w0.45: IC5.6@71.584,34.064 71.584,34.953 71.76,35.129 71.76,35.618 71.83,35.687 73.94,35.687 74.803,34.824 74.803,33.312 74.784,33.293 73.552,33.293 v1(73.533,33.274)
  Top Layer w0.508: D?.1@67.609,24.003 67.609,26.461 v1(68.834,27.686)
  Bottom Layer w0.508: v1(68.834,27.686) 73.533,32.385 v1(73.533,33.274)
BOOST-TG: IC5.7 Q5.1 | length 18
  Top Layer w0.4: IC5.7@70.934,34.064 70.959,34.09 70.959,35.519 71.12,35.68 v1(71.12,36.83)
  Mid Layer 2 w0.4: v1(58.68,42.595) 62.286,38.989 69.596,38.989 71.113,37.472 71.113,36.837 v1(71.12,36.83)
BOOST-TIN: IC5.1 MCU1.40 | length 50.8
  Top Layer w0.3: MCU1.40@41.152,4.422 41.152,5.097 41.152,5.621 41.783,6.252 43.874,6.252 44.39,6.769 44.39,9.204 44.383,9.211 44.383,11.646 44.95,12.214 45.107,12.214 v1(45.212,12.319) ; v1(70.231,22.86) 70.257,22.886 70.257,29.614 IC5.1@70.284,29.64
  Bottom Layer w0.3: v1(45.212,12.319) 45.222,12.319 45.663,12.76 45.682,12.76 46.168,13.246 46.168,13.275 47.625,14.732 50.927,14.732 51.689,13.97 59.436,13.97 60.198,14.732 64.389,14.732 66.421,16.764 69.342,16.764 70.231,17.653 v1(70.231,22.86)
BOOST-TS: C14.2 C23.1 D6.2 IC5.8 IC8.2 IC8.5 L1.2 Q5.4 Q7.3 Z2.1 | length 36.7
  Top Layer w0.45: v1(69.977,36.83) 69.977,36.722 70.16,36.539 70.16,35.707 C14.2@70.205,35.662 70.231,35.636 70.231,34.925 70.284,34.872 IC5.8@70.284,34.064 ; D6.2@77.851,34.549 IC8.5@77.851,32.873 IC8.2@77.851,30.373 77.851,29.321 78.143,29.029 C23.1@78.143,28.829 ; Z2.1@78.12,27.178 78.143,27.201 C23.1@78.143,28.829 ; v1(79.121,28.829) C23.1@78.143,28.829
  Mid Layer 2 w0.45: v1(62.992,33.528) 70.993,33.528 75.692,28.829 v1(79.121,28.829) ; v1(62.992,37.592) 64.897,37.592 65.659,36.83 v1(69.977,36.83)
  other v1: 58.928,33.528 60.96,33.528 58.928,35.56 60.96,35.56 62.992,35.56 54.38,36.576 55.904,36.576 58.928,37.592 60.96,37.592 55.13,38.1 54.38,39.624 55.904,39.624 63.246,40.894 64.516,40.894 61.976,42.545 64.516,42.545 61.976,44.196 63.246,44.196 64.516,44.196
BUCK-BG: IC4.4 Q4.1 | length 7.5
  Top Layer w0.45: IC4.4@28.844,29.358 28.844,28.956 v1(29.67,28.956)
  Mid Layer 2 w0.45: v1(29.67,28.956) 33.655,28.956 33.959,29.26 v1(35.82,29.26)
BUCK-BIN: IC4.2 MCU1.39 | length 36.1
  Top Layer w0.3: IC4.2@27.544,29.358 27.544,26.431 31.369,22.606 v1(31.369,21.59) ; MCU1.39@40.652,4.422 40.652,6.235 43.307,8.89 43.307,11.43 v1(42.418,12.319)
  Bottom Layer w0.3: v1(31.369,21.59) 31.369,17.272 33.909,14.732 37.465,14.732 38.862,13.335 41.402,13.335 v1(42.418,12.319)
BUCK-BOOT: C13.1 D4.1 D8.1 IC4.6 | length 48
  Top Layer w0.45: D8.1@24.384,34.549 24.384,34.508 24.409,34.483 25.207,34.483 v1(25.273,34.417) ; IC4.6@28.194,33.782 28.194,34.745 28.412,34.963 28.404,34.971 28.404,35.388 C13.1@28.359,35.433 v1(29.083,35.433) ; v1(55.118,24.638) 58.214,24.638 D4.1@58.849,24.003
  Bottom Layer w0.45: v1(29.083,35.433) 28.067,34.417 v1(25.273,34.417) 25.273,32.893 26.289,31.877 26.289,29.337 28.575,27.051 31.115,27.051 33.528,24.638 v1(55.118,24.638)
BUCK-TG: IC4.7 Q2.1 | length 13.7
  Top Layer w0.4: IC4.7@27.544,33.782 27.544,36.815 v1(27.559,36.83)
  Mid Layer 2 w0.4: v1(27.559,36.83) 30.055,36.83 v1(35.82,42.595)
BUCK-TIN: IC4.1 MCU1.38 | length 35.6
  Top Layer w0.3: IC4.1@26.894,29.358 26.894,25.938 30.099,22.733 v1(30.099,21.59) ; MCU1.38@40.152,4.422 40.152,6.624 42.418,8.89 v1(42.418,11.049)
  Bottom Layer w0.3: v1(30.099,21.59) 30.861,20.828 30.861,17.018 33.655,14.224 37.211,14.224 38.608,12.827 40.64,12.827 v1(42.418,11.049)